# Altium PCB PCB_with_drawing_try2.PcbDoc (part 4 of 5)
Units mm, origin at the board's own origin, x right, y up, seen from the top; angles counter-clockwise.
Board outline 187.5 x 240 mm, 2 copper layers (Top Layer, Bottom Layer), stack 2.8 mm thick; 489 components, 419 nets, 1569 pads, 683 vias.
Unrouted connection lines stored in the file: 11.
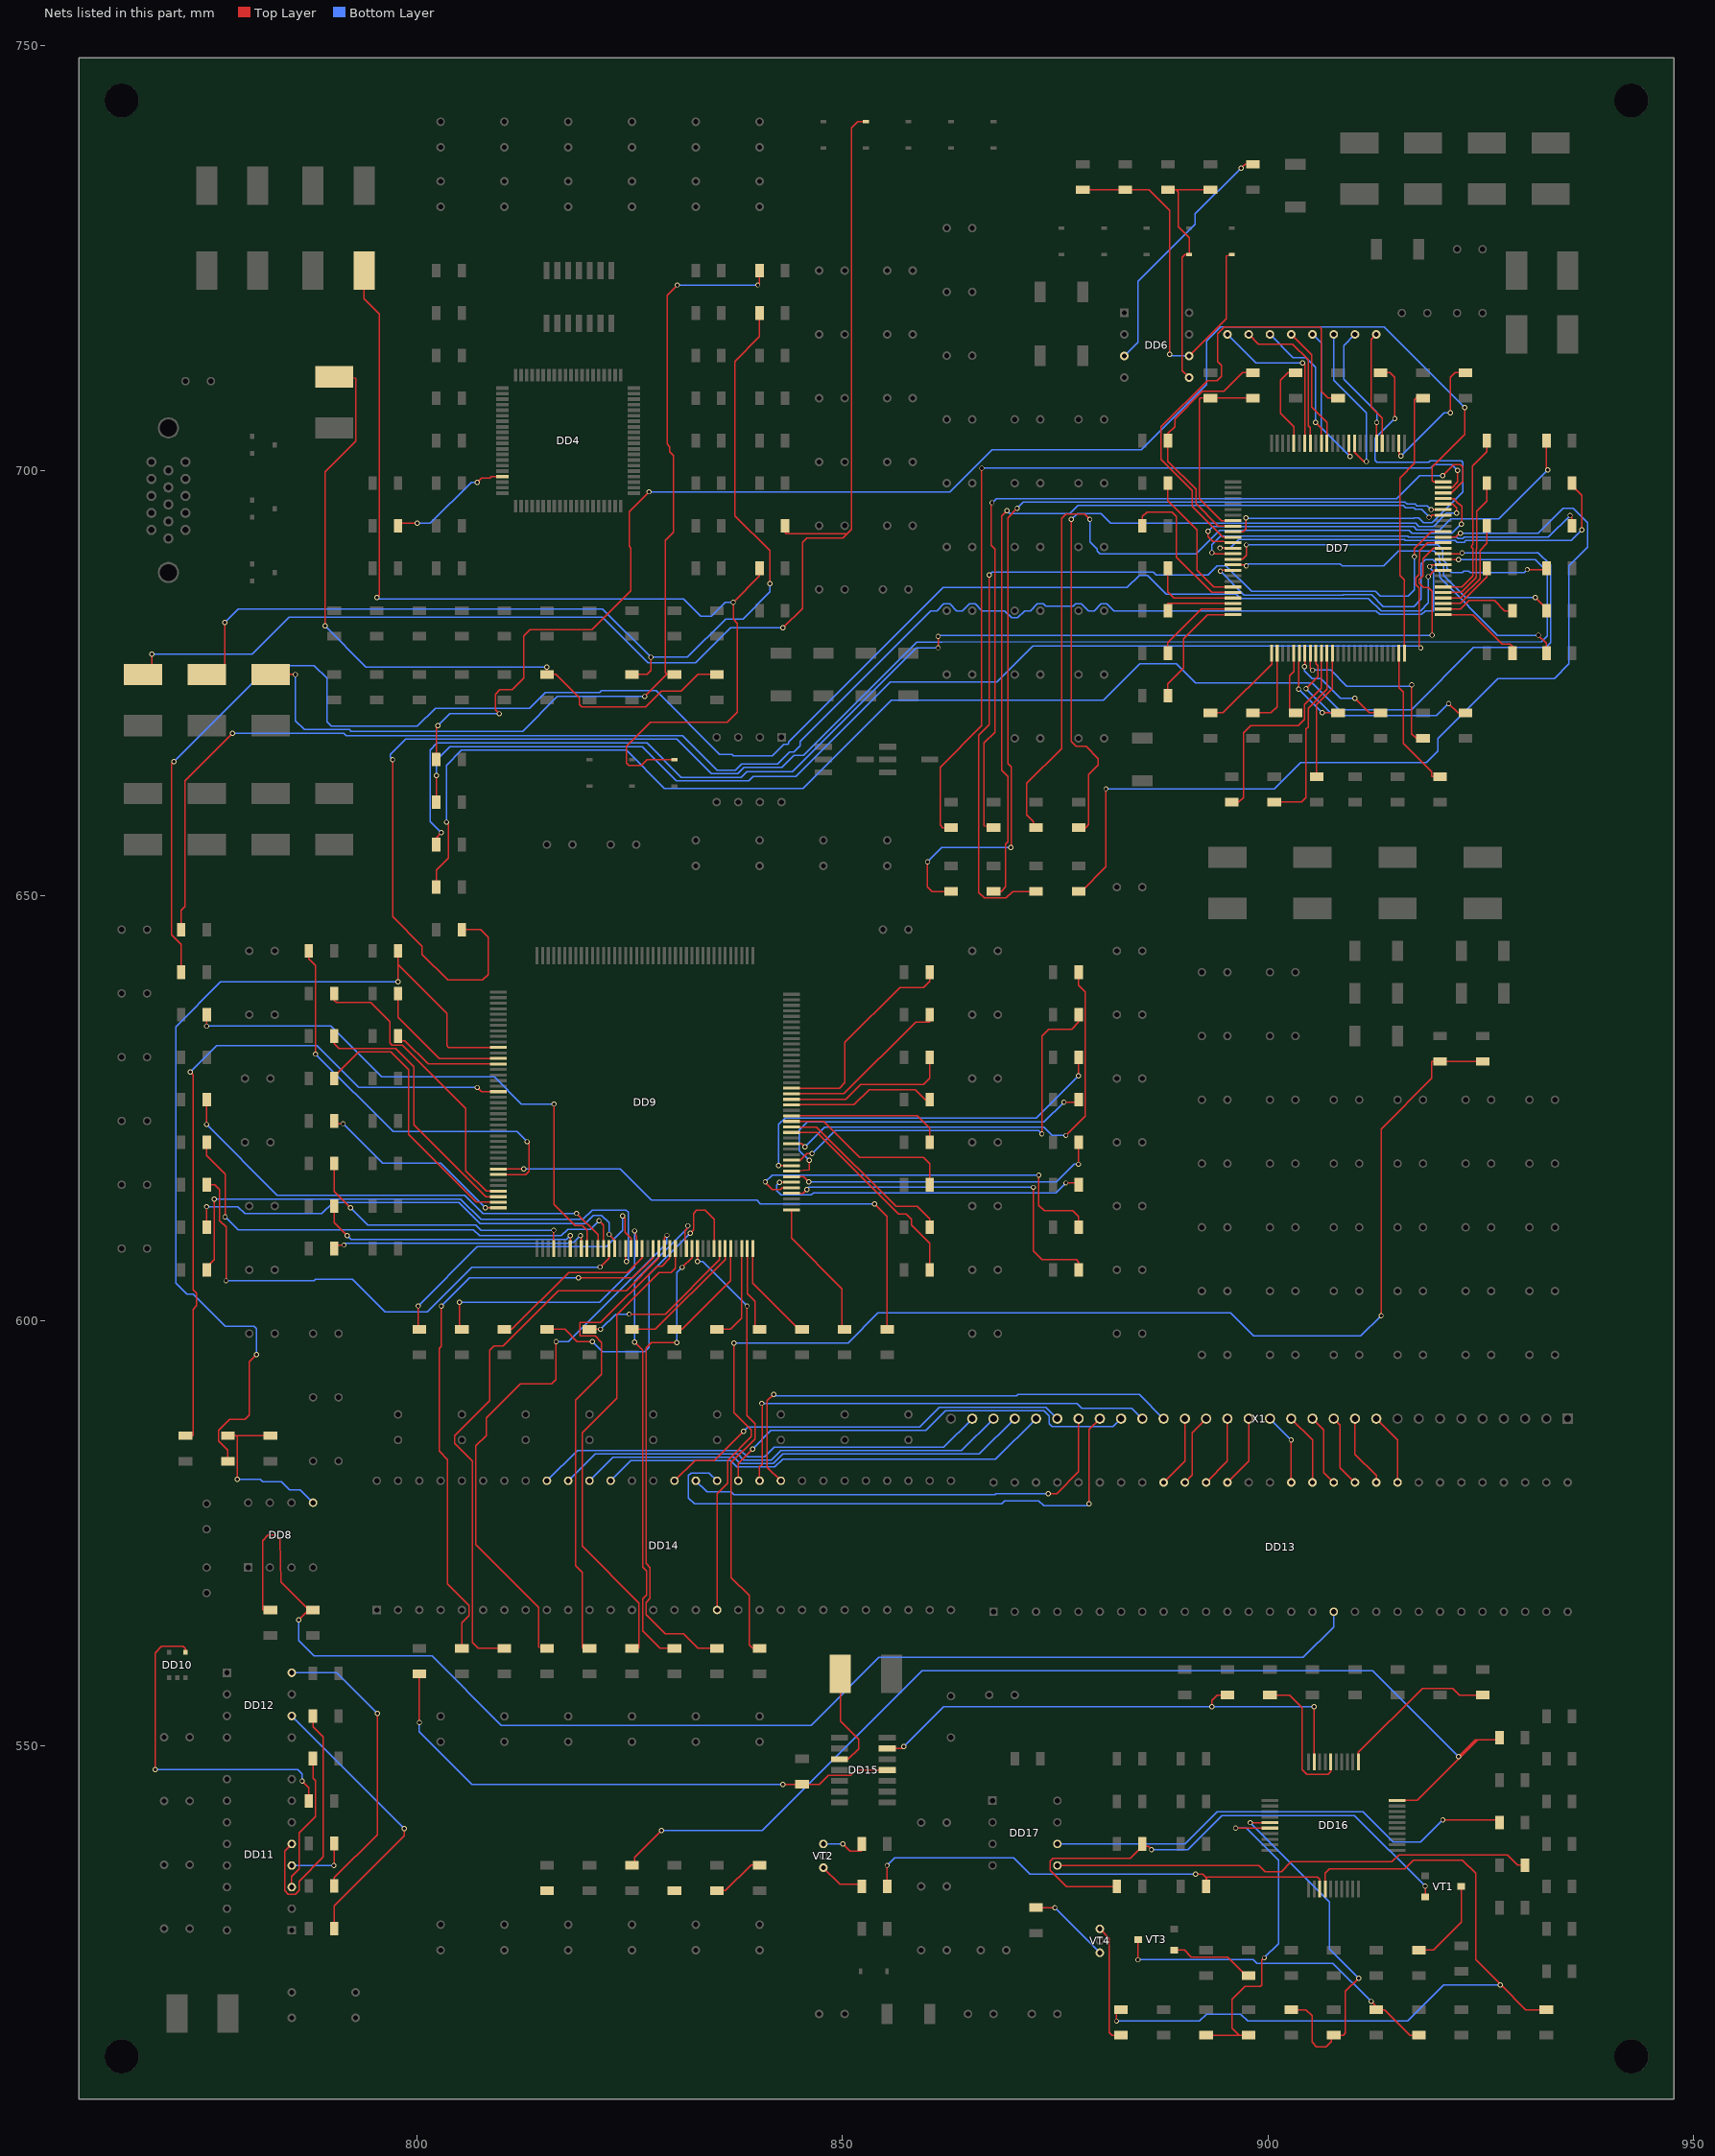
[diagram p4: the nets of this part, all layers, seen from the top]

## Via types
v1: diameter 0.6, hole 0.4, Top Layer to Bottom Layer, 677 vias
v2: diameter 0.5, hole 0.4, Top Layer to Bottom Layer, 3 vias
v3: diameter 0.4, hole 0.4, Top Layer to Bottom Layer, 2 vias
v4: diameter 0.6, hole 0.3, Top Layer to Bottom Layer, 1 vias

## Nets (pads, with @x,y where several pads share a name; then routed paths per layer and width w, separated by ;. In a path a pad name is that pad's centre, name@x,y a point inside that pad or via, vN(x,y) a via of type N, cw(c..) or ccw(c..) an arc to the next point about the centre after c; other vN are vias at no path point) (continued)
NetDD4_77: DD4.77 R32.1 | length 14.8
  Top Layer w0.15: R32.1@797.75,693.5 797.75,693.806 v1(800.002,693.806) ; v1(807.038,698.609) 807.543,699.114 808.553,699.114 808.714,699.275 DD4.77@810.028,699.275
  Bottom Layer w0.15: v1(800.002,693.806) 801.551,693.806 806.354,698.609 v1(807.038,698.609)
NetDD6_3: DD6.3 R49.2 | length 29.4
  Top Layer w0.15: v1(896.852,735.538) 897.314,736 R49.2@898.25,736
  Bottom Layer w0.15: DD6.3@883.13,713.46 884.762,715.092 884.762,722.236 891.475,728.949 891.475,730.161 v1(896.852,735.538)
NetDD6_5: DD6.5 R51.1 R53.2 VD13.2 | length 28.7
  Top Layer w0.15: R51.1@888.25,733 889.232,733 ; DD6.5@890.75,710.92 889.918,711.752 889.918,725.07 890.248,725.4 VD13.2@890.75,725.4 890.75,727.391 889.486,728.655 889.486,732.746 889.232,733 ; R53.2@893.25,733 889.232,733
NetDD6_6: DD6.6 R50.1 R52.2 VD12.2 | length 44.7
  Top Layer w0.15: R52.2@878.25,733 R50.1@883.25,733 886.03,733 888.445,730.585 v1(888.445,713.643) ; DD6.6@890.75,713.46 895.125,717.835 895.125,725.197 VD12.2@895.75,725.4
  Bottom Layer w0.15: v1(888.445,713.643) 888.628,713.46 DD6.6@890.75,713.46
NetDD7_8: DD7.8 R56.1 R62.2 | length 22.2
  Top Layer w0.15: R56.1@893.25,708.5 892.073,708.5 891.95,708.377 891.95,697.956 891.945,697.951 891.945,696.698 894.543,694.1 DD7.8@895.9,694.1 ; 894.075,708.5 R62.2@898.25,708.5
NetDD7_9: DD7.9 R57.1 R62.1 | length 28.6
  Top Layer w0.15: DD7.9@895.9,693.45 894.184,693.45 891.541,696.093 891.541,697.783 888.25,701.074 R57.1@888.25,703.5 888.25,704.345 889.064,705.159 889.064,706.062 892.302,709.3 894.83,709.3 897.03,711.5 R62.1@898.25,711.5
NetDD7_10: DD7.10 R73.1 | length 57
  Top Layer w0.15: DD7.10@895.9,692.8 897.106,692.8 897.436,693.13 v1(897.436,694.416) ; R73.1@913.25,711.5 914.378,711.5 914.937,710.941 v1(914.937,706.1)
  Bottom Layer w0.15: v1(897.436,694.416) 897.481,694.371 917.169,694.371 917.214,694.416 917.708,694.416 918.29,693.834 919.309,693.834 922.938,697.463 922.938,700.963 922.76,701.141 919.105,701.141 918.908,700.943 912.854,700.943 912.6,701.197 912.6,703.763 v1(914.937,706.1)
NetDD7_11: DD7.11 R72.1 | length 54.1
  Top Layer w0.15: DD7.11@895.9,692.15 894.732,692.15 891.137,695.745 891.137,697.616 887.454,701.299 887.454,705.134 892.89,710.57 894.058,710.57 894.566,711.078 894.566,712.348 894.109,712.805 894.109,716.082 894.871,716.844 906.098,716.844 906.301,716.641 906.301,709.3 907.101,708.5 R72.1@908.25,708.5
NetDD7_12: DD7.12 R71.1 | length 50.5
  Top Layer w0.15: v1(892.966,692.838) 892.966,692.24 893.55,691.655 894.85,691.655 DD7.12@895.9,691.5 ; R71.1@932.75,703.5 932.75,700.199 v1(932.895,700.054)
  Bottom Layer w0.15: v1(892.966,692.838) 893.51,693.383 917.172,693.383 917.529,693.026 920.217,693.026 921.524,694.333 927.174,694.333 v1(932.895,700.054)
NetDD7_13: DD7.13 R70.1 | length 51.2
  Top Layer w0.15: v1(894.371,690.885) 894.406,690.85 DD7.13@895.9,690.85 ; R70.1@935.75,698.5 935.75,698.276 936.933,697.093 v1(936.933,693.019)
  Bottom Layer w0.15: v1(894.371,690.885) 895.557,690.885 896.568,691.897 916.035,691.897 916.157,691.774 922.015,691.774 922.222,691.567 923.078,691.567 923.285,691.774 935.689,691.774 v1(936.933,693.019)
NetDD7_14: DD7.14 R69.1 | length 48.6
  Top Layer w0.15: v1(893.423,690.326) 893.549,690.2 DD7.14@895.9,690.2 ; v1(935.536,694.72) 935.75,694.507 R69.1@935.75,693.5
  Bottom Layer w0.15: v1(893.423,690.326) 893.423,691.266 894.458,692.301 916.439,692.301 916.561,692.178 922.182,692.178 922.389,691.971 922.911,691.971 923.118,692.178 932.994,692.178 v1(935.536,694.72)
NetDD7_15: DD7.15 R68.1 | length 41.1
  Top Layer w0.15: DD7.15@895.9,689.55 897.016,689.55 897.462,689.996 v1(897.462,691.241) ; v1(930.507,688.345) 932.75,688.345 R68.1@932.75,688.5
  Bottom Layer w0.15: v1(897.462,691.241) 919.966,691.241 920.576,690.631 920.576,689.535 921.084,689.027 921.084,688.472 921.592,687.964 922.849,687.964 923.064,688.179 923.59,688.179 923.805,687.964 930.126,687.964 v1(930.507,688.345)
NetDD7_16: DD7.16 R67.1 | length 41.9
  Top Layer w0.15: DD7.16@895.9,688.9 897.338,688.9 v1(897.462,688.777) ; v1(931.429,685.068) 932.75,683.748 R67.1@932.75,683.5
  Bottom Layer w0.15: v1(897.462,688.777) 897.712,689.028 908.509,689.028 908.76,688.777 913.641,688.777 915.394,690.529 919.56,690.529 920.148,689.941 920.148,689.238 920.652,688.735 920.652,687.659 923.243,685.068 v1(931.429,685.068)
NetDD7_17: DD7.17 R66.1 | length 52.3
  Top Layer w0.15: v1(894.414,688.142) 894.522,688.25 DD7.17@895.9,688.25 ; v1(931.81,680.623) 932.75,679.684 R66.1@932.75,678.5
  Bottom Layer w0.15: v1(894.414,688.142) 897.192,685.363 908.845,685.363 908.852,685.37 912.197,685.37 913.565,684.002 917.172,684.002 918.036,684.865 918.036,688.98 918.544,689.488 919.405,689.488 919.744,689.148 919.744,688.496 920.227,688.013 920.227,687.412 927.016,680.623 v1(931.81,680.623)
NetDD7_20: DD7.20 R89.1 | length 16.7
  Top Layer w0.15: R89.1@888.25,698.5 888.25,696.422 891.686,692.986 891.686,688.265 893.651,686.3 DD7.20@895.9,686.3
NetDD7_21: DD7.21 R88.1 | length 18.6
  Top Layer w0.15: R88.1@885.25,693.5 885.25,694.568 885.783,695.101 888.724,695.101 889.257,694.568 889.257,689.816 893.423,685.65 DD7.21@895.9,685.65
NetDD7_22: DD7.22 R87.1 | length 10.7
  Top Layer w0.15: R87.1@888.25,688.5 888.25,685.728 888.978,685 DD7.22@895.9,685
NetDD7_23: DD7.23 R86.1 | length 8.5
  Top Layer w0.15: R86.1@888.25,683.5 888.25,684.35 DD7.23@895.9,684.35
NetDD7_24: DD7.24 R85.1 | length 10.5
  Top Layer w0.15: R85.1@888.25,678.5 888.25,679.76 892.19,683.7 DD7.24@895.9,683.7
NetDD7_25: DD7.25 R84.1 | length 14.5
  Top Layer w0.15: R84.1@888.25,673.5 888.25,674.908 890.096,676.754 890.096,680.205 892.94,683.05 DD7.25@895.9,683.05
NetDD7_26: DD7.26 R83.1 | length 10.8
  Top Layer w0.15: R83.1@893.25,671.5 894.718,671.5 900.45,677.232 DD7.26@900.45,678.5
NetDD7_27: DD7.27 R82.1 | length 9.4
  Top Layer w0.15: R82.1@898.25,671.5 900.384,671.5 901.1,672.216 DD7.27@901.1,678.5
NetDD7_30: DD7.30 R107.1 | length 7.9
  Top Layer w0.15: DD7.30@903.05,678.5 903.05,676.384 902.548,675.882 902.548,671.5 R107.1@903.25,671.5
NetDD7_31: DD7.31 R106.1 | length 10
  Top Layer w0.15: v1(903.614,674.267) 903.614,677.458 903.7,677.544 DD7.31@903.7,678.5 ; v1(906.382,671.5) R106.1@908.25,671.5
  Bottom Layer w0.15: v1(903.614,674.267) v1(906.382,671.5)
NetDD7_32: DD7.32 R105.1 | length 13.1
  Top Layer w0.15: v1(904.32,676.915) 904.35,676.945 DD7.32@904.35,678.5 ; v1(910.238,673.209) 911.946,671.5 R105.1@913.25,671.5
  Bottom Layer w0.15: v1(904.32,676.915) 904.32,676.425 905.234,675.51 906.227,675.51 908.529,673.209 v1(910.238,673.209)
NetDD7_33: DD7.33 R104.1 | length 21.9
  Top Layer w0.15: DD7.33@905,678.5 905,676.768 v1(905.259,676.509) ; v1(916.918,674.781) 916.918,669.008 917.426,668.5 R104.1@918.25,668.5
  Bottom Layer w0.15: v1(905.259,676.509) 907.424,676.509 909.298,674.635 916.772,674.635 v1(916.918,674.781)
NetDD7_34: DD7.34 R103.1 | length 26
  Top Layer w0.15: v1(904.497,674.324) 905.894,675.721 905.894,677.026 905.65,677.271 DD7.34@905.65,678.5 ; v1(921.261,672.597) 922.358,671.5 R103.1@923.25,671.5
  Bottom Layer w0.15: v1(904.497,674.324) 907.672,671.149 919.814,671.149 v1(921.261,672.597)
NetDD7_35: DD7.35 R102.1 | length 25.7
  Top Layer w0.15: R102.1@895.75,661 896.609,661 897.157,661.548 897.157,669.168 897.97,669.981 903.589,669.981 904.334,670.726 904.334,672.447 906.3,674.413 DD7.35@906.3,678.5
NetDD7_36: DD7.36 R101.1 | length 21.9
  Top Layer w0.15: R101.1@900.75,661 903.949,661 904.497,661.548 904.497,669.597 904.738,669.838 904.738,672.043 906.95,674.255 DD7.36@906.95,678.5
NetDD7_37: DD7.37 R100.1 | length 15.3
  Top Layer w0.15: R100.1@905.75,664 905.742,664 905.742,672.461 907.6,674.319 DD7.37@907.6,678.5
NetDD7_49: DD7.49 R97.1 | length 17.1
  Top Layer w0.15: DD7.49@915.4,678.5 915.4,674.473 915.953,673.92 915.953,667.904 919.272,664.585 919.272,664 R97.1@920.25,664
NetDD7_50: DD7.50 R96.1 | length 31.8
  Top Layer w0.15: DD7.50@916.05,678.5 916.05,687.115 915.532,687.634 915.532,699.125 917.248,700.842 917.248,708.322 917.426,708.5 R96.1@918.25,708.5
NetDD7_51: DD7.51 R95.1 | length 10.5
  Top Layer w0.15: DD7.51@920.6,683.05 924.118,683.05 927.561,679.607 928.471,679.607 928.75,679.328 R95.1@928.75,678.5
NetDD7_52: DD7.52 R94.1 | length 9.1
  Top Layer w0.15: DD7.52@920.6,683.7 922.658,683.7 923.646,684.687 926.646,684.687 927.834,683.5 R94.1@928.75,683.5
NetDD7_53: DD7.53 R93.1 | length 7.5
  Top Layer w0.15: DD7.53@920.6,684.35 922.644,684.35 925.75,687.456 R93.1@925.75,688.5
NetDD7_54: DD7.54 R92.1 | length 11.8
  Top Layer w0.15: DD7.54@920.6,685 922.666,685 924.933,687.267 924.933,690.594 925.75,691.411 R92.1@925.75,693.5
NetDD7_55: DD7.55 R91.1 | length 16.2
  Top Layer w0.15: DD7.55@920.6,685.65 922.744,685.65 924.529,687.434 924.529,690.774 924.563,690.809 924.563,695.203 925.75,696.39 R91.1@925.75,698.5
NetDD7_56: DD7.56 R90.1 | length 20.9
  Top Layer w0.15: DD7.56@920.6,686.3 922.823,686.3 924.125,687.602 924.125,690.815 923.941,690.999 923.941,691.101 924.133,691.293 924.133,694.231 924.055,694.309 924.055,700.519 925.75,702.213 R90.1@925.75,703.5
NetDD7_59: DD7.59 R81.1 | length 204.5
  Top Layer w0.15: v1(771.401,665.764) 771.122,665.485 771.122,645.404 772.25,644.276 R81.1@772.25,641 ; v1(918.848,687.507) 919.592,688.25 DD7.59@920.6,688.25
  Bottom Layer w0.15: v1(771.401,665.764) 782.704,677.067 787.886,677.067 789.385,675.569 789.385,670.463 789.918,669.93 800.027,669.93 802.135,672.038 813.21,672.038 815.039,673.867 821.465,673.867 821.693,674.096 828.094,674.096 835.562,666.628 837.023,666.628 837.201,666.45 841.759,666.45 843.08,667.771 843.537,667.771 843.664,667.898 843.664,668.05 861.825,686.211 883.441,686.211 884.883,687.653 885.879,687.653 888.058,685.475 896.293,685.475 896.809,684.959 909.013,684.959 909.019,684.966 911.838,684.966 913.31,683.494 917.934,683.494 918.848,684.408 v1(918.848,687.507)
NetDD7_60: DD7.60 R80.1 | length 187.8
  Top Layer w0.15: R80.1@772.25,646 772.25,648.249 772.722,648.721 772.722,663.529 v1(778.285,669.092) ; v1(919.026,688.693) 919.233,688.9 DD7.60@920.6,688.9
  Bottom Layer w0.15: v1(778.285,669.092) 791.366,669.092 791.643,668.815 831.193,668.815 835.279,664.729 837.388,664.729 838.121,665.462 842.344,665.462 843.792,666.91 844.273,666.91 845.007,667.644 845.007,668.125 860.382,683.5 861.078,683.5 861.907,684.329 862.593,684.329 863.422,683.5 864.078,683.5 864.907,684.329 865.593,684.329 866.422,683.5 869.078,683.5 869.907,682.671 870.593,682.671 871.422,683.5 872.078,683.5 872.907,684.329 873.593,684.329 873.893,684.029 877.107,684.029 877.407,684.329 878.093,684.329 878.922,683.5 879.578,683.5 880.407,684.329 881.093,684.329 881.922,683.5 912.732,683.5 913.143,683.09 918.101,683.09 918.512,683.5 919.418,683.5 919.479,683.439 919.479,688.092 919.026,688.545 v1(919.026,688.693)
NetDD7_61: DD7.61 R79.1 | length 207.6
  Top Layer w0.15: v1(797.106,665.993) 797.106,647.515 800.586,644.035 800.586,643.108 803.611,640.083 807.698,640.083 808.333,640.718 808.333,645.114 807.444,646.003 805.25,646.003 R79.1@805.25,646 ; DD7.61@920.6,689.55 921.908,689.513 v1(922.404,689.513)
  Bottom Layer w0.15: v1(797.106,665.993) 796.852,666.247 796.852,666.603 798.66,668.411 830.505,668.411 834.59,664.325 837.688,664.325 838.421,665.058 842.856,665.058 844.305,666.506 845.424,666.506 858.724,679.806 861.735,679.806 932.158,679.887 932.838,680.567 932.838,688.097 931.421,689.513 v1(922.404,689.513)
NetDD7_62: DD7.62 R78.1 | length 181.5
  Top Layer w0.15: R78.1@802.25,651 802.25,653.027 803.659,654.436 803.659,658.398 v1(803.431,658.627) ; DD7.62@920.6,690.2 922.758,690.2 v1(922.842,690.284)
  Bottom Layer w0.15: v1(803.431,658.627) 803.431,665.329 805.213,667.111 824.589,667.111 829.079,662.621 845.347,662.621 855.729,673.003 880.647,673.003 884.939,677.296 889.232,677.296 891.518,675.01 905.209,675.01 908.384,671.835 916.867,671.835 924.191,679.159 932.666,679.159 933.242,679.735 933.242,688.887 931.752,690.377 931.659,690.284 v1(922.842,690.284)
NetDD7_63: DD7.63 R77.1 | length 152.4
  Top Layer w0.15: R77.1@802.25,656 802.25,656.811 v1(802.847,657.408) ; v1(861.241,679.15) v1(861.241,680.496) ; v1(919.306,680.623) 919.306,685.792 918.873,686.224 918.317,686.224 917.79,686.751 917.79,687.189 918.219,687.619 918.219,689.054 918.256,689.09 918.256,689.648 919.458,690.85 DD7.63@920.6,690.85
  Bottom Layer w0.15: v1(802.847,657.408) 801.526,658.729 801.526,667.136 802.339,667.949 827.005,667.949 831.033,663.921 838.092,663.921 838.743,664.572 844.103,664.572 858.681,679.15 v1(861.241,679.15) ; v1(861.241,680.496) 861.368,680.623 v1(919.306,680.623)
NetDD7_64: DD7.64 R76.1 | length 144.7
  Top Layer w0.15: R76.1@802.25,661 v1(802.25,664.113) ; v1(917.985,679.125) 917.815,679.294 917.815,686.154 917.386,686.584 917.386,687.357 917.815,687.786 917.815,689.494 917.852,689.53 917.852,690.605 918.747,691.5 DD7.64@920.6,691.5
  Bottom Layer w0.15: v1(802.25,664.113) 802.25,665.93 803.837,667.517 826.448,667.517 830.448,663.517 838.972,663.517 839.464,664.009 844.493,664.009 855.621,675.137 868.15,675.137 872.392,679.379 917.731,679.379 v1(917.985,679.125)
NetDD7_65: DD7.65 R75.1 | length 111.7
  Top Layer w0.15: R75.1@877.75,650.5 878.082,650.5 880.977,653.395 v1(880.977,662.564) ; DD7.65@920.6,692.15 922.1,692.15 922.65,692.7 v1(922.65,692.6)
  Bottom Layer w0.15: v1(880.977,662.564) 900.76,662.564 903.834,665.637 918.62,665.637 919.966,666.984 919.966,668.482 927.027,675.543 933.682,675.543 935.384,677.245 935.384,688.802 937.568,690.987 937.568,693.882 935.917,695.533 934.718,695.533 931.785,692.6 v1(922.65,692.6)
NetDD7_66: DD7.66 R74.1 | length 106.7
  Top Layer w0.15: v1(867.261,687.71) 867.261,670.082 866.016,668.838 866.016,650.372 866.677,649.712 869.216,649.712 870.004,650.5 R74.1@872.75,650.5 ; v1(917.223,689.869) 917.223,690.809 919.214,692.8 DD7.66@920.6,692.8
  Bottom Layer w0.15: v1(867.261,687.71) 867.608,688.057 886.537,688.057 886.884,687.71 892.991,687.71 894.058,688.777 895.074,688.777 898.084,685.767 908.678,685.767 908.685,685.774 912.657,685.774 913.21,685.221 916.512,685.221 917.223,685.932 v1(917.223,689.869)
NetDD7_69: DD7.69 R65.1 | length 99.1
  Top Layer w0.15: R65.1@867.75,650.5 868.658,650.5 869.172,651.014 869.172,656.064 869.42,656.312 869.42,664.037 868.734,664.723 868.734,694.67 v1(869.344,695.279) ; v1(918.949,694.499) 919.084,694.499 919.335,694.75 DD7.69@920.6,694.75
  Bottom Layer w0.15: v1(869.344,695.279) 869.699,694.924 876.71,694.924 877.678,695.892 915.499,695.892 915.503,695.896 915.929,695.896 916.196,695.629 917.169,695.629 917.369,695.429 918.089,695.429 918.949,694.569 v1(918.949,694.499)
NetDD7_70: DD7.70 R64.1 | length 107.7
  Top Layer w0.15: v1(859.997,653.979) 859.997,651.033 860.53,650.5 R64.1@862.75,650.5 ; v1(869.801,655.655) 869.824,655.678 869.824,665.132 869.42,665.536 869.42,694.441 v1(870.538,695.559) ; v1(919.21,695.4) DD7.70@920.6,695.4
  Bottom Layer w0.15: v1(859.997,653.979) 861.673,655.655 v1(869.801,655.655) ; v1(870.538,695.559) 871.275,696.296 915.331,696.296 915.335,696.3 916.097,696.3 916.364,696.033 917.336,696.033 917.536,695.833 918.777,695.833 v1(919.21,695.4)
NetDD7_71: DD7.71 R63.1 | length 88.9
  Top Layer w0.15: v1(876.888,694.238) 876.888,668.152 877.472,667.568 878.615,667.568 880.063,666.12 880.063,665.358 878.92,664.215 878.92,658.356 878.564,658 R63.1@877.75,658 ; DD7.71@920.6,696.05 921.744,696.05 922.176,695.618 v1(922.176,694.974)
  Bottom Layer w0.15: v1(876.888,694.238) 877.601,694.951 880.366,694.951 881.531,693.787 917.377,693.787 917.733,693.43 919.48,693.43 921.024,694.974 v1(922.176,694.974)
NetDD7_72: DD7.72 R61.1 | length 96.3
  Top Layer w0.15: R61.1@872.75,658 872.443,658 872.443,658.703 871.655,659.491 871.655,663.199 875.745,667.288 875.745,694.353 876.259,694.867 878.468,694.867 v1(879.072,694.263) ; DD7.72@920.6,696.7 921.85,696.7 922.221,696.329 922.221,696.281 922.531,695.971 922.579,695.971 922.805,695.745 922.805,693.807 922.684,693.686 922.836,693.686 922.824,693.699 v1(922.749,693.699)
  Bottom Layer w0.15: v1(879.072,694.263) 879.072,691.581 879.921,690.732 879.921,690.504 880.254,690.171 891.541,690.171 894.312,692.942 916.605,692.942 916.925,692.622 921.601,692.622 922.679,693.7 922.681,693.699 v1(922.749,693.699)
NetDD7_73: DD7.73 R60.1 | length 101.8
  Top Layer w0.15: v1(867.566,696.194) 867.464,696.194 867.464,691.19 867.896,690.758 867.896,669.219 866.651,667.974 866.651,658.229 R60.1@867.75,658 ; v1(920.55,699.394) 921.846,700.689 922.652,700.689 922.932,700.41 922.932,698.69 921.592,697.35 DD7.73@920.6,697.35
  Bottom Layer w0.15: v1(867.566,696.194) 868.072,696.7 915.164,696.7 917.858,699.394 v1(920.55,699.394)
NetDD7_74: DD7.74 R58.1 | length 105.1
  Top Layer w0.15: R58.1@862.75,658 861.8,658 861.467,658.333 861.467,665.076 866.372,669.981 v1(866.372,700.258) ; DD7.74@920.6,698 921.671,698 922.303,698.632 v1(922.303,700.004)
  Bottom Layer w0.15: v1(866.372,700.258) 919.134,700.258 919.534,700.658 921.648,700.658 v1(922.303,700.004)
NetDD7_75: DD7.75 R55.1 | length 173.3
  Top Layer w0.15: R55.1@802.25,666 802.25,669.791 v1(802.44,669.981) ; v1(809.654,671.378) 809.171,671.86 809.171,673.664 809.73,674.223 811.178,674.223 812.549,675.594 812.549,680.547 813.286,681.284 820.525,681.284 825.097,685.856 825.097,690.885 824.919,691.063 824.919,695.152 v1(827.256,697.489) ; DD7.75@920.6,698.65 919.458,698.65 919.304,698.804 919.304,700.41 923.141,704.247 v1(923.141,707.395)
  Bottom Layer w0.15: v1(802.44,669.981) 803.837,671.378 v1(809.654,671.378) ; v1(827.256,697.489) 862.638,697.489 867.566,702.417 885.117,702.417 892.813,710.113 892.813,715.244 894.414,716.844 913.692,716.844 v1(923.141,707.395)
NetDD7_77: DD7.77 R54.1 | length 15.7
  Top Layer w0.15: DD7.77@915.4,703.2 915.4,701.928 v1(915.633,701.695) ; v1(921.465,706.773) 921.465,710.967 921.998,711.5 R54.1@923.25,711.5
  Bottom Layer w0.15: v1(915.633,701.695) 920.711,706.773 v1(921.465,706.773)
NetDD7_80: DD7.80 RX_D2+.1 | length 13.6
  Top Layer w0.15: RX_D2+.1@912.75,716 912.168,715.418 912.168,707.458 913.45,706.176 DD7.80@913.45,703.2
NetDD7_81: DD7.81 RX_D2-.1 | length 15
  Top Layer w0.15: DD7.81@912.8,703.2 v1(912.8,705.639)
  Bottom Layer w0.15: RX_D2-.1@910.25,716 908.923,714.673 908.923,710.742 912.854,706.811 912.854,705.693 v1(912.8,705.639)
NetDD7_85: DD7.85 RX_D1+.1 | length 19.4
  Top Layer w0.15: DD7.85@910.2,703.2 910.2,702.163 911.317,701.046 v1(911.596,701.046)
  Bottom Layer w0.15: RX_D1+.1@907.75,716 907.75,710.607 911.596,706.76 v1(911.596,701.046)
NetDD7_86: DD7.86 RX_D1-.1 | length 17.8
  Top Layer w0.15: DD7.86@909.55,703.2 909.55,701.758 v1(909.654,701.655)
  Bottom Layer w0.15: RX_D1-.1@905.25,716 906.258,714.992 906.258,705.05 v1(909.654,701.655)
NetDD7_90: DD7.90 RX_D0+.1 | length 14.5
  Top Layer w0.15: RX_D0+.1@902.75,716 905.158,713.592 905.158,707.46 906.95,705.668 DD7.90@906.95,703.2
NetDD7_91: DD7.91 RX_D0-.1 | length 16.2
  Top Layer w0.15: v1(905.615,705.642) 906.3,704.957 DD7.91@906.3,703.2
  Bottom Layer w0.15: RX_D0-.1@900.25,716 902.962,713.288 904.472,713.288 905.615,712.145 v1(905.615,705.642)
NetDD7_93: DD7.93 RX_CLK+.1 | length 18.2
  Top Layer w0.15: RX_CLK+.1@897.75,716 898.887,714.863 902.923,714.863 904.754,713.031 904.754,705.245 905,704.999 DD7.93@905,703.2
NetDD7_94: DD7.94 RX_CLK-.1 | length 19.8
  Top Layer w0.15: v1(904.096,712.651) 904.35,712.397 DD7.94@904.35,703.2